# KiCad board EduboardV2_Baseboard.kicad_pcb (continued)
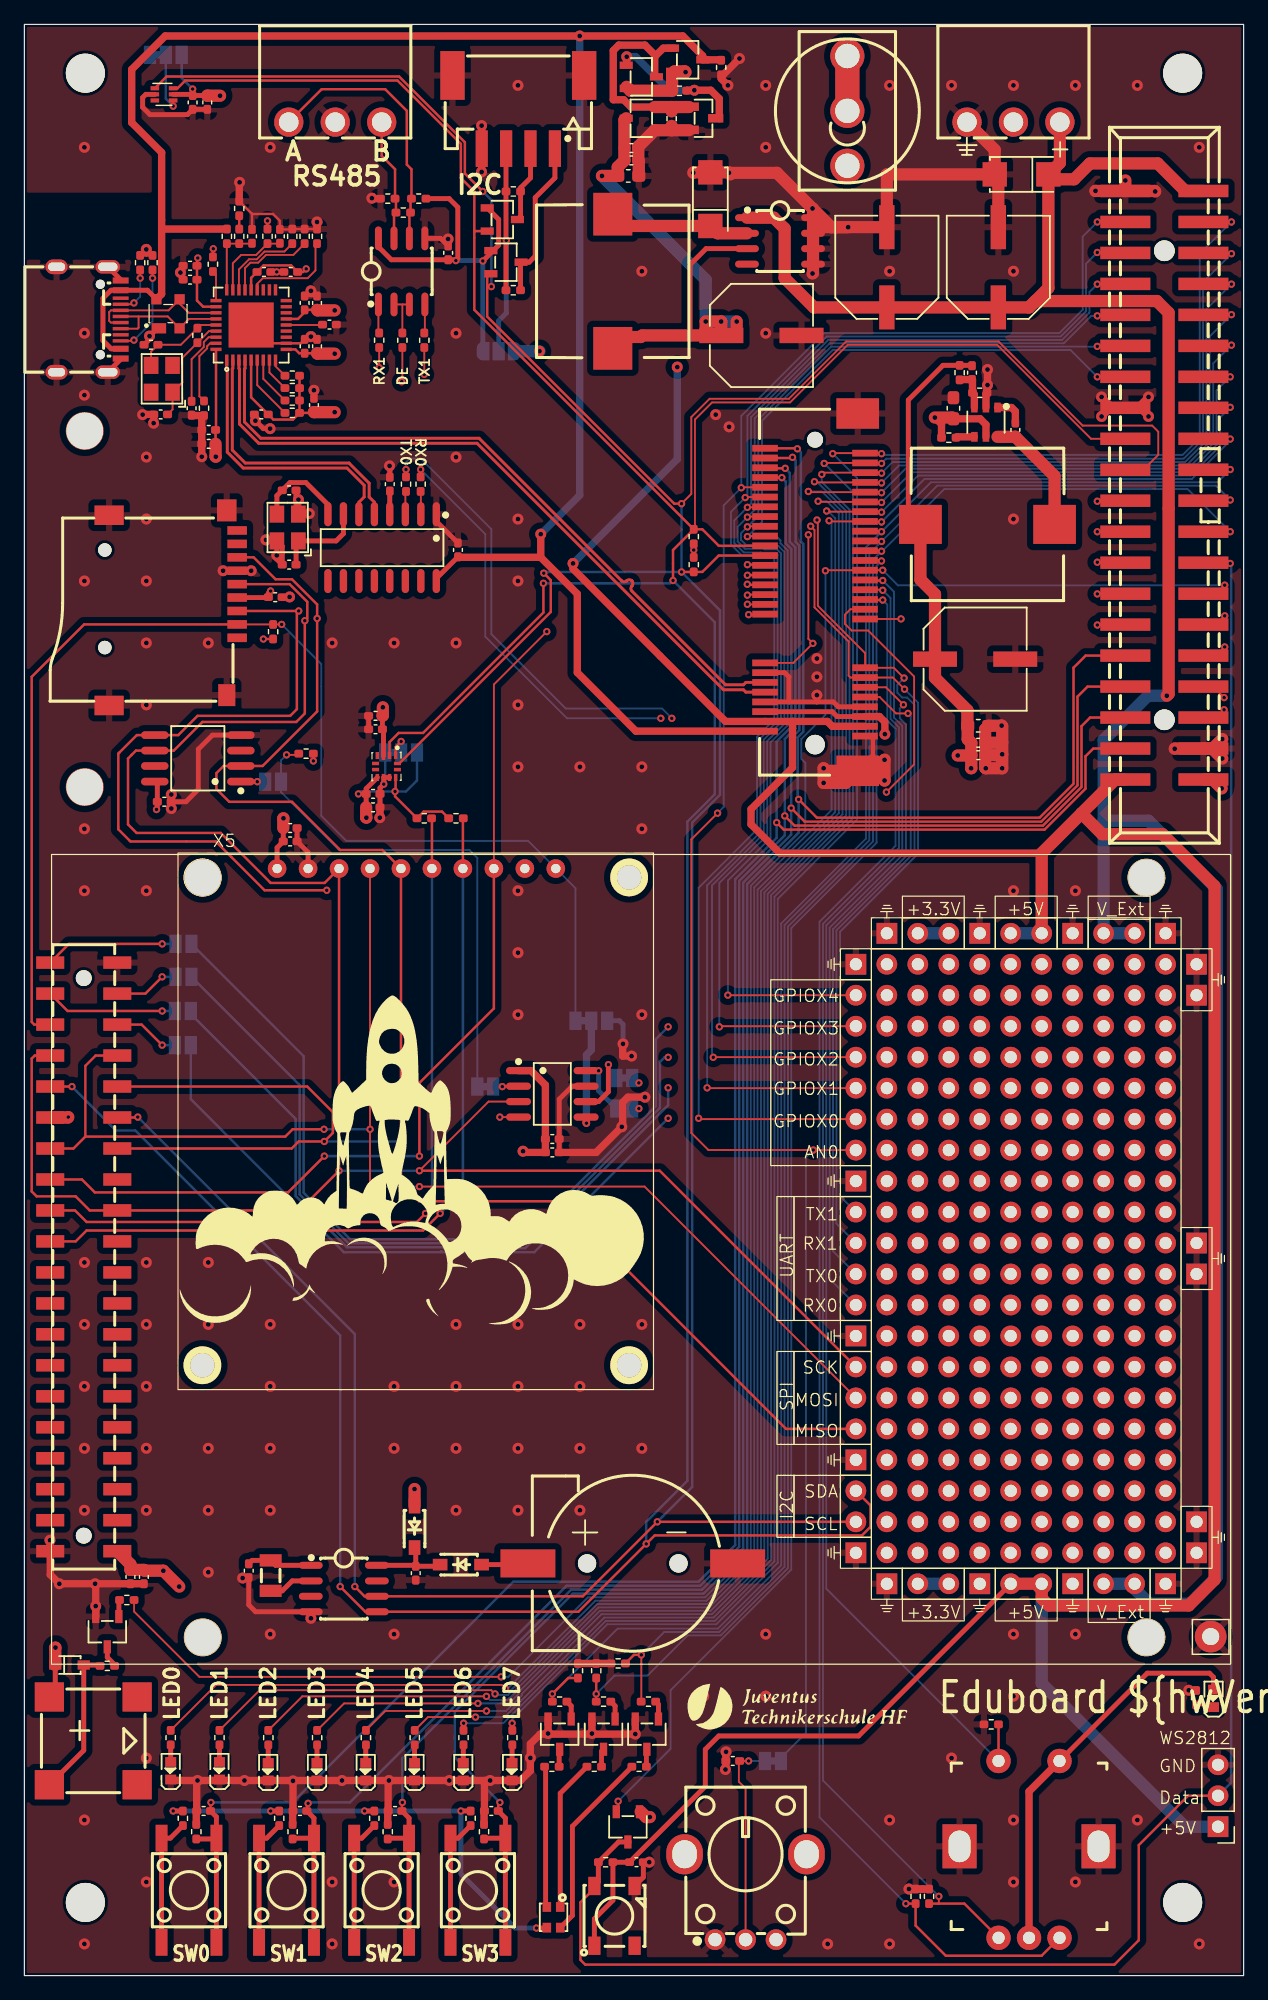
[diagram p0: board, top side]
## Library data of the parts (continued)
JP6 JP9 JP14 JP15 = -: Description: Solder Jumper, 2-pole, closed/bridged
L1 L2 = -: JLC Part: Extended Part; LCSC Part: C136216; Manufacturer: TDK
Q1 = -: JLC Part: Extended Part; LCSC Part: C916396; Manufacturer: JSMSEMI(杰盛微)
Q2-Q4 = -: JLC Part: Extended Part; LCSC Part: C2593; Manufacturer: Infineon(英飞凌)
Q5-Q7 = -: JLC Part: Extended Part; LCSC Part: C116157; Manufacturer: SHIKUES(时科)
R1 R2 = -: Description: 1/16W Thick Film Resistors 50V ±1% ±200ppm/℃ -55℃~+155℃ 10Ω 0402  Chip Resistor - Surface Mount ROHS; JLC Part: Basic Part; LCSC Part: C11702; MPN: 0402WGF100JTCE; Manufacturer: UniOhm
R3-R6 R8 R70-R72 = -: Description: 1/16W Thick Film Resistors 50V ±1% ±100ppm/℃ -55℃~+155℃ 100kΩ 0402  Chip Resistor - Surface Mount ROHS; JLC Part: Basic Part; LCSC Part: C25741; MPN: 0402WGF1003TCE; Manufacturer: UniOhm
R7 = -: Description: 1/16W Thick Film Resistors 50V ±1% ±100ppm/℃ -55℃~+155℃ 22kΩ 0402  Chip Resistor - Surface Mount ROHS; JLC Part: Basic Part; LCSC Part: C25768; MPN: 0402WGF2202TCE; Manufacturer: UniOhm
R9 R10 R12 R14-R17 R19 R21-R23 R25 R29 R46-R48 R56 R57 = -: Description: 1/16W Thick Film Resistors 50V ±1% ±100ppm/℃ -55℃~+155℃ 1kΩ 0402  Chip Resistor - Surface Mount ROHS; JLC Part: Basic Part; LCSC Part: C11702; MPN: 0402WGF1001TCE; Manufacturer: UniOhm
R11 R18 R26 R30 R53 R55 R60-R63 = -: Description: 1/16W Thick Film Resistors 50V ±1% ±100ppm/℃ -55℃~+155℃ 10kΩ 0402  Chip Resistor - Surface Mount ROHS; JLC Part: Basic Part; LCSC Part: C25744; MPN: 0402WGF1002TCE; Manufacturer: UniOhm
R13 = -: Description: 20V ±20% 50mW 50kΩ Plugin  Variable Resistors/Potentiometers ROHS; JLC Part: Extended Part; LCSC Part: C470291; MPN: RK09K1130ACL; Manufacturer: ALPSALPINE(阿尔卑斯阿尔派); alternative: C388854
R20 R24 R35-R38 R41-R45 R51 R52 = -: Description: 1/16W Thick Film Resistors 50V ±1% ±200ppm/℃ -55℃~+155℃ 10Ω 0402  Chip Resistor - Surface Mount ROHS; JLC Part: Basic Part; LCSC Part: C25744; MPN: 0402WGF100JTCE; Manufacturer: UniOhm
R27 R28 R31 = -: Description: 1/16W Thick Film Resistors 50V ±1% ±100ppm/℃ -55℃~+155℃ 150Ω 0402  Chip Resistor - Surface Mount ROHS; JLC Part: Basic Part; LCSC Part: C25082; MPN: 0402WGF1500TCE; Manufacturer: UniOhm
R32-R34 R39 R40 = -: Description: 1/16W Thick Film Resistors 50V ±1% ±200ppm/℃ -55℃~+155℃ 10Ω 0402  Chip Resistor - Surface Mount ROHS; JLC Part: Basic Part; LCSC Part: C25077; MPN: 0402WGF100JTCE; Manufacturer: UniOhm
R49 R50 = -: Description: 1/16W Thick Film Resistors 50V ±1% ±100ppm/℃ -55℃~+155℃ 5.1kΩ 0402  Chip Resistor - Surface Mount ROHS; JLC Part: Basic Part; LCSC Part: C25905; MPN: 0402WGF5101TCE; Manufacturer: UniOhm
R54 = -: Description: 1/16W Thick Film Resistors 50V ±1% ±100ppm/℃ -55℃~+155℃ 120Ω 0402  Chip Resistor - Surface Mount ROHS; JLC Part: Basic Part; LCSC Part: C25079; MPN: 0402WGF1200TCE; Manufacturer: UniOhm
R64 = -: Description: 1MΩ 62.5mW ±100ppm/℃ 50V -55℃~+155℃ Thick Film Resistors ±1% 0402 Chip Resistor - Surface Mount ROHS; JLC Part: Basic Part; LCSC Part: C25741; Manufacturer: UniOhm
R65 R73 = -: Description: 62.5mW Thick Film Resistors 50V ±1% ±100ppm/℃ -55℃~+155℃ 12kΩ 0402 Chip Resistor - Surface Mount ROHS; JLC Part: Basic Part; LCSC Part: C25752; Manufacturer: UniOhm
R66-R69 = -: Description: 62.5mW Thick Film Resistors 50V ±1% ±100ppm/℃ -55℃~+155℃ 47kΩ 0402 Chip Resistor - Surface Mount ROHS; JLC Part: Basic Part; LCSC Part: C25792; Manufacturer: UniOhm
SW1 = -: Description: Cylindrical button handle 7.9mm 125V -30℃~85℃ SPDT Straight PCPin 100000 12.9mm 6A Plugin  Toggle Switches ROHS; JLC Part: Extended Part; LCSC Part: C496164; Manufacturer: Dailywell
SW2-SW5 = -: JLC Part: Extended Part; LCSC Part: C127509; Manufacturer: 韩国韩荣
SW6 = -: Description: Plugin  Rotary Encoders ROHS; Alternative: C143790; JLC Part: Extended Part; LCSC Part: C143817; Manufacturer: BOURNS
T1-T3 T5 = -: Description: 30V 5.7A 26.5mΩ@10V,5.7A 1.4W 1.5V@250μA N Channel SOT-23-3L  MOSFETs ROHS; JLC Part: Basic Part; LCSC Part: C20917; Manufacturer: AOS
U1 = -: Description: Digital Temperature Sensor with I2C/SMBus/Two-wire Interface, 12 bits, +/-1° C, one-shot conversion, alert, nist traceable, SOT-563; JLC Part: Extended Part; LCSC Part: C28927
U2 = -: LCSC Part: C144363
X1 = -: Description: 32.768kHz SMD Crystal Resonator 12.5pF 70kΩ ±20ppm -40℃~+85℃ SMD3215-2P  Crystals ROHS; JLC Part: Basic Part; LCSC Part: C32346; MPN: Q13FC1350000400; Manufacturer: EPSON
X2 = -: Description: Battery base -25℃~+85℃ CR1220 SMD  Battery Connectors ROHS; JLC Part: Extended Part; LCSC Part: C969906; Manufacturer: Q&J
X3 = -: Description: Deck MicroSD card (TF card) Self bomb SMD  SD Card Connectors ROHS; JLC Part: Extended Part; LCSC Part: C111196; Manufacturer: SOFNG
X4 X13 = -: Description: 300V 8A 3 Bend -40℃~+105℃ 1 3.81mm Green Board Edge/Receptacle-Close P=3.81mm  Pluggable System Terminal Block ROHS; JLC Part: Extended Part; LCSC Part: C441183; Manufacturer: Cixi Kefa Elec
X5 = -: Digikey: 1738-DFR0649-ND
X7 = -: Description: 2.54mm -40℃~+105℃ Brick nogging 3A 20 Push - Pull 2.54mm 2 SMD,P=2.54mm  IDC Connectors ROHS; JLC Part: Extended Part; LCSC Part: C2685065; Manufacturer: Liansheng(连盛)
X8 = -: Description: 3A 1 16 Female Type-C SMD  USB Connectors ROHS; JLC Part: Extended Part; LCSC Part: C167321; Manufacturer: LCSC
X9 = -: JLC Part: Extended Part; LCSC Part: C2685092; TouchController Datasheet: https://www.buydisplay.com/download/ic/FT6236-FT6336-FT6436L-FT6436_Datasheet.pdf
X10 = -: Description: 1x4P PH 1 2mm 4 Copper Alloy SMD,P=2mm  Wire To Board / Wire To Wire Connector ROHS; JLC Part: Extended Part; LCSC Part: C265332; Manufacturer: JST Sales America
X14 = -: Description: Transceiver 2Mbps USB 2.0 SOP-16_150mil  USB ICs ROHS; JLC Part: Extended Part; LCSC Part: C14267; Manufacturer: WCH
X15 = -: Description: KDS Daishinku DSX321G 24MHz; Alternative: C2149060; JLC Part: Extended Part; LCSC Part: C93235; Manufacturer: KDS
Y1 = -: Description: 12MHz SMD Crystal Resonator 20pF ±10ppm ±30ppm -40℃~+85℃ SMD3225-4P  Crystals ROHS; JLC Part: Basic Part; LCSC Part: C9002; Manufacturer: YXC

## Footprints (pads in the part's own frame, mm; a bottom-side part is the same pattern mirrored in y, then rotated)
BAT-SMD_CR1220-2ZX
  round 1.5 hole 1.5 unplated: (-3.75,0) (3.75,0)
  rect 4.5x2.3 smd: 1(-8.6,0) 2(8.6,0)
BUZ-SMD_4P-L8.5-W8.5-P8.50-BR
  rect 2.4x2.4 smd: 1(-3.6,-3.6) 2(3.6,-3.6) 3(3.6,3.6) 4(-3.6,3.6)
C_0402_1005Metric_Pad0.74x0.62mm_HandSolder
  rrect 0.735x0.62 smd: 1(-0.568,0) 2(0.568,0)
C_0603_1608Metric_Pad1.08x0.95mm_HandSolder
  rrect 1.075x0.95 smd: 1(-0.863,0) 2(0.863,0)
CAP-SMD_BD8.0-L8.3-W8.3-RD
  rect 3.61x1.26 smd: 1(3.29,0) 2(-3.29,0)
CONN-SMD_52P-P0.80-V_91304-70-052RXXX
  round 3.1 hole 3 unplated: (-15.98,59.9) (13.22,59.9)
  round 1.6 hole 1.6 unplated: (-12.5,0)
  round 1.3 hole 1.3 unplated: (12.5,0)
  rect 0.55x2.1 smd: 1(-11.8,-4.1) 2(-11.4,4.1) 3(-11,-4.1) 4(-10.6,4.1) 5(-10.2,-4.1) 6(-9.8,4.1) 7(-9.4,-4.1) 8(-9,4.1) 9(-8.6,-4.1) 10(-8.2,4.1) 11(-7.8,-4.1) 12(-7.4,4.1) 13(-7,-4.1) 14(-6.6,4.1) 15(-6.2,-4.1) 16(-5.8,4.1) 17(-2.2,-4.1) 18(-1.8,4.1) 19(-1.4,-4.1) 20(-1,4.1) 21(-0.6,-4.1) 22(-0.2,4.1) 23(0.2,-4.1) 24(0.6,4.1) 25(1,-4.1) 26(1.4,4.1) 27(1.8,-4.1) 28(2.2,4.1) 29(2.6,-4.1) 30(3,4.1) 31(3.4,-4.1) 32(3.8,4.1) 33(4.2,-4.1) 34(4.6,4.1) 35(5,-4.1) 36(5.4,4.1) 37(5.8,-4.1) 38(6.2,4.1) 39(6.6,-4.1) 40(7,4.1) 41(7.4,-4.1) 42(7.8,4.1) 43(8.2,-4.1) 44(8.6,4.1) 45(9,-4.1) 46(9.4,4.1) 47(9.8,-4.1) 48(10.2,4.1) 49(10.6,-4.1) 50(11,4.1) 51(11.4,-4.1) 52(11.8,4.1)
  rect 2.5x3.5 smd: 53(-14.65,-3.5) 54(14.65,-3.5)
CONN-SMD_S4B-PH-SM4-K-TB-LF-SN
  rect 1x3 smd: 1(3,-3) 2(1,-3) 3(-1,-3) 4(-3,-3)
  rect 2x4 smd: 5(-5.4,3) 6(5.4,3)
CONN-TH_3P-P3.81_KF2EDGR-3.81-3P
  round 2.4 hole 1.6: 1(-3.81,0) 2(0,0) 3(3.81,0)
DFR0649
  round 3.1 hole 2 unplated: (-17.7,17.6) (-17.7,-22.4) (17.3,17.6) (17.3,-22.4)
  round 1.524 hole 0.762: 1(-11.572,18.33) 2(-9.032,18.33) 3(-6.492,18.33) 4(-3.952,18.33) 5(-1.412,18.33) 6(1.128,18.33) 7(3.668,18.33) 8(6.208,18.33) 9(8.748,18.33) 10(11.288,18.33)
FC-135R_L3.2-W1.5
  rect 1x1.8 smd: 1(-1.25,0) 2(1.25,0)
HDR-SMD_40P-P2.54-V-F-R2-C20-S7.1-EH
  round 3.1 hole 3 unplated: (-31.1,87) (-31.1,9.6) (31.2,87) (31.2,9.6)
  round 1.3 hole 1.3 unplated: (-22.86,-0.16) (22.86,-0.16)
  rect 1.02x2.3 smd: 1(24.13,-2.91) 2(24.13,2.59) 3(21.59,-2.91) 4(21.59,2.59) 5(19.05,-2.91) 6(19.05,2.59) 7(16.51,-2.91) 8(16.51,2.59) 9(13.97,-2.91) 10(13.97,2.59) 11(11.43,-2.91) 12(11.43,2.59) 13(8.89,-2.91) 14(8.89,2.59) 15(6.35,-2.91) 16(6.35,2.59) 17(3.81,-2.91) 18(3.81,2.59) 19(1.27,-2.91) 20(1.27,2.59) 21(-1.27,-2.91) 22(-1.27,2.59) 23(-3.81,-2.91) 24(-3.81,2.59) 25(-6.35,-2.91) 26(-6.35,2.59) 27(-8.89,-2.91) 28(-8.89,2.59) 29(-11.43,-2.91) 30(-11.43,2.59) 31(-13.97,-2.91) 32(-13.97,2.59) 33(-16.51,-2.91) 34(-16.51,2.59) 35(-19.05,-2.91) 36(-19.05,2.59) 37(-21.59,-2.91) 38(-21.59,2.59) 39(-24.13,-2.91) 40(-24.13,2.59)
IDC-SMD_BH-00105
  round 1.7 hole 1.7 unplated: (-19.23,0) (19.23,0)
  rect 1.02x4.1 smd: 1(-24.13,-3.2) 2(-24.13,3.2) 3(-21.59,-3.2) 4(-21.59,3.2) 5(-19.05,-3.2) 6(-19.05,3.2) 7(-16.51,-3.2) 8(-16.51,3.2) 9(-13.97,-3.2) 10(-13.97,3.2) 11(-11.43,-3.2) 12(-11.43,3.2) 13(-8.89,-3.2) 14(-8.89,3.2) 15(-6.35,-3.2) 16(-6.35,3.2) 17(-3.81,-3.2) 18(-3.81,3.2) 19(-1.27,-3.2) 20(-1.27,3.2) 21(1.27,-3.2) 22(1.27,3.2) 23(3.81,-3.2) 24(3.81,3.2) 25(6.35,-3.2) 26(6.35,3.2) 27(8.89,-3.2) 28(8.89,3.2) 29(11.43,-3.2) 30(11.43,3.2) 31(13.97,-3.2) 32(13.97,3.2) 33(16.51,-3.2) 34(16.51,3.2) 35(19.05,-3.2) 36(19.05,3.2) 37(21.59,-3.2) 38(21.59,3.2) 39(24.13,-3.2) 40(24.13,3.2)
IND-SMD_L12.5-W12.5_SLF12565T
  rect 3.5x3.2 smd: 1(-5.5,0) 2(5.5,0)
KEY-SMD_4P-L6.0-W6.0-P4.50-LS9.5-BL
  rect 0.98x2.2 smd: 1(-2.25,-4.27) 2(-2.25,4.27) 3(2.25,-4.27) 4(2.25,4.27)
LED0603-FD_BLUE
  rect 0.8x0.9 smd: 1(-0.72,0) 2(0.72,0)
LED-SMD_4P-L5.0-W5.0-TL_WS2812B-B
  rect 1.5x1 smd: 1(-2.45,1.65) 2(-2.45,-1.65) 3(2.45,-1.65) 4(2.45,1.65)
LED-SMD_FM-B2020RGBA-HG
  rect 0.8x0.7 smd: 1(-0.85,0.55) 2(0.85,0.55) 3(0.85,-0.55) 4(-0.85,-0.55)
LGA-12_L2.0-W2.0-P0.50-TR
  rect 0.28x0.58 smd: 1(0.75,0.9) 2(0.25,0.9) 4(-0.75,0.9) 7(-0.75,-0.9) 8(-0.25,-0.9) 9(0.25,-0.9) 10(0.75,-0.9)
  rect 0.28x0.67 smd: 3(-0.25,0.86)
  rect 0.58x0.28 smd: 5(-0.9,0.25) 6(-0.9,-0.25) 11(0.9,-0.25) 12(0.9,0.25)
MountingHole_3.2mm_M3
  round 3.2 hole 3.2 unplated: (0,0)
OSC-SMD_4P-L3.2-W2.5-BL
  rect 1.4x1.2 smd: 1(-1.1,-0.88) 2(1.1,-0.88) 3(1.1,0.88) 4(-1.1,0.88)
Pin_D1.4mm_L8.5mm_W2.8mm_FlatFork
  round 2.6 hole 1.4: 1(0,0)
PinHeader_1x03_P2.54mm_Vertical
  rect 1.7x1.7 hole 1: 1(0,0)
  oval 1.7x1.7 hole 1: 2(0,-2.54) 3(0,-5.08)
protoboard_patch
  round 1.7 hole 1: (2.54,-2.54) (2.54,-5.08) (2.54,-7.62) (2.54,-10.16) (2.54,-12.7) (2.54,-15.24) (2.54,-17.78) (2.54,-20.32) (2.54,-22.86) (2.54,-25.4) (5.08,-2.54) (5.08,-5.08) (5.08,-7.62) (5.08,-10.16) (5.08,-12.7) (5.08,-15.24) (5.08,-17.78) (5.08,-20.32) (5.08,-22.86) (5.08,-25.4) (7.62,-2.54) (7.62,-5.08) (7.62,-7.62) (7.62,-10.16) (7.62,-12.7) (7.62,-15.24) (7.62,-17.78) (7.62,-20.32) (7.62,-22.86) (7.62,-25.4) (10.16,-2.54) (10.16,-5.08) (10.16,-7.62) (10.16,-10.16) (10.16,-12.7) (10.16,-15.24) (10.16,-17.78) (10.16,-20.32) (10.16,-22.86) (10.16,-25.4) (12.7,-2.54) (12.7,-5.08) (12.7,-7.62) (12.7,-10.16) (12.7,-12.7) (12.7,-15.24) (12.7,-17.78) (12.7,-20.32) (12.7,-22.86) (12.7,-25.4) (15.24,-2.54) (15.24,-5.08) (15.24,-7.62) (15.24,-10.16) (15.24,-12.7) (15.24,-15.24) (15.24,-17.78) (15.24,-20.32) (15.24,-22.86) (15.24,-25.4) (17.78,-2.54) (17.78,-5.08) (17.78,-7.62) (17.78,-10.16) (17.78,-12.7) (17.78,-15.24) (17.78,-17.78) (17.78,-20.32) (17.78,-22.86) (17.78,-25.4) (20.32,-2.54) (20.32,-5.08) (20.32,-7.62) (20.32,-10.16) (20.32,-12.7) (20.32,-15.24) (20.32,-17.78) (20.32,-20.32) (20.32,-22.86) (20.32,-25.4) (22.86,-2.54) (22.86,-5.08) (22.86,-7.62) (22.86,-10.16) (22.86,-12.7) (22.86,-15.24) (22.86,-17.78) (22.86,-20.32) (22.86,-22.86) (22.86,-25.4) (25.4,-2.54) (25.4,-5.08) (25.4,-7.62) (25.4,-10.16) (25.4,-12.7) (25.4,-15.24) (25.4,-17.78) (25.4,-20.32) (25.4,-22.86) (25.4,-25.4) (27.94,-2.54) (27.94,-5.08) (27.94,-7.62) (27.94,-10.16) (27.94,-12.7) (27.94,-15.24) (27.94,-17.78) (27.94,-20.32) (27.94,-22.86) (27.94,-25.4) (30.48,-2.54) (30.48,-5.08) (30.48,-7.62) (30.48,-10.16) (30.48,-12.7) (30.48,-15.24) (30.48,-17.78) (30.48,-20.32) (30.48,-22.86) (30.48,-25.4) (33.02,-2.54) (33.02,-5.08) (33.02,-7.62) (33.02,-10.16) (33.02,-12.7) (33.02,-15.24) (33.02,-17.78) (33.02,-20.32) (33.02,-22.86) (33.02,-25.4) (35.56,-2.54) (35.56,-5.08) (35.56,-7.62) (35.56,-10.16) (35.56,-12.7) (35.56,-15.24) (35.56,-17.78) (35.56,-20.32) (35.56,-22.86) (35.56,-25.4) (38.1,-2.54) (38.1,-5.08) (38.1,-7.62) (38.1,-10.16) (38.1,-12.7) (38.1,-15.24) (38.1,-17.78) (38.1,-20.32) (38.1,-22.86) (38.1,-25.4) (40.64,-2.54) (40.64,-5.08) (40.64,-7.62) (40.64,-10.16) (40.64,-12.7) (40.64,-15.24) (40.64,-17.78) (40.64,-20.32) (40.64,-22.86) (40.64,-25.4) (43.18,-2.54) (43.18,-5.08) (43.18,-7.62) (43.18,-10.16) (43.18,-12.7) (43.18,-15.24) (43.18,-17.78) (43.18,-20.32) (43.18,-22.86) (43.18,-25.4) (45.72,-2.54) (45.72,-5.08) (45.72,-7.62) (45.72,-10.16) (45.72,-12.7) (45.72,-15.24) (45.72,-17.78) (45.72,-20.32) (45.72,-22.86) (45.72,-25.4) (48.26,-2.54) (48.26,-5.08) (48.26,-7.62) (48.26,-10.16) (48.26,-12.7) (48.26,-15.24) (48.26,-17.78) (48.26,-20.32) (48.26,-22.86) (48.26,-25.4) (50.8,-2.54) (50.8,-5.08) (50.8,-7.62) (50.8,-10.16) (50.8,-12.7) (50.8,-15.24) (50.8,-17.78) (50.8,-20.32) (50.8,-22.86) (50.8,-25.4) 2(0,-22.86) 3(0,-20.32) 5(0,-15.24) 6(0,-12.7) 8(0,-7.62) 9(0,-5.08) 12(5.08,0) 13(7.62,0) 15(12.7,0) 16(15.24,0) 17(17.78,0) 19(22.86,0) 20(25.4,0) 21(27.94,0) 22(30.48,0) 24(35.56,0) 25(38.1,0) 26(40.64,0) 27(43.18,0) 28(45.72,0) 29(48.26,0) 32(53.34,-5.08) 33(53.34,-7.62) 35(53.34,-12.7) 36(53.34,-15.24) 38(53.34,-20.32) 39(53.34,-22.86)
  rect 1.7x1.7 hole 1: 1(0,-25.4) 4(0,-17.78) 7(0,-10.16) 10(0,-2.54) 11(2.54,0) 14(10.16,0) 18(20.32,0) 23(33.02,0) 30(50.8,0) 31(53.34,-2.54) 34(53.34,-10.16) 37(53.34,-17.78) 40(53.34,-25.4) 41(50.8,-27.94) 42(48.26,-27.94) 43(27.94,-27.94) 44(25.4,-27.94) 45(5.08,-27.94) 46(2.54,-27.94)
R_0402_1005Metric_Pad0.72x0.64mm_HandSolder
  rrect 0.715x0.64 smd: 1(-0.598,0) 2(0.598,0)
RES-TH_RK09K1130AAU
  round 1.7 hole 1.1: 1(-2.5,-3.5) 2(0,-3.5) 3(2.5,-3.5)
  oval 3x3.3 hole 2x2.3: 4(5,3.5) 5(-5,3.5)
SMA_L4.3-W2.6-LS5.2-RD
  rect 2x2 smd: 1(-2.2,0) 2(2.2,0)
SOD-123_L2.7-W1.6-LS3.7-RD-1
  rect 1.2x0.95 smd: 1(-1.7,0) 2(1.7,0)
SOD-323_L1.8-W1.3-LS2.5-RD
  rect 1x0.75 smd: 1(-1.17,0) 2(1.17,0)
SOIC-8_L4.9-W3.9-P1.27-LS6.0-BL
  oval 0.59x2.05 smd: 1(-1.91,-2.77) 2(-0.63,-2.77) 3(0.63,-2.77) 4(1.9,-2.77) 5(1.9,2.77) 6(0.63,2.77) 7(-0.63,2.77) 8(-1.91,2.77)
SOIC-8_L5.0-W4.0-P1.27-LS6.0-BL
  oval 0.57x1.95 smd: 1(-1.91,-2.71) 2(-0.63,-2.71) 3(0.63,-2.71) 4(1.9,-2.71) 5(1.9,2.71) 6(0.63,2.71) 7(-0.63,2.71) 8(-1.91,2.71)
SOIC-8_L5.3-W5.3-P1.27-LS8.0-BL
  oval 0.63x2.25 smd: 1(-1.91,-3.53) 2(-0.63,-3.53) 3(0.63,-3.53) 4(1.9,-3.53) 5(1.9,3.53) 6(0.63,3.53) 7(-0.63,3.53) 8(-1.91,3.53)
SOIC-16_L9.9-W3.9-P1.27-LS6.0-BL
  oval 0.6x1.97 smd: 1(-4.45,-2.74) 2(-3.18,-2.74) 3(-1.91,-2.74) 4(-0.63,-2.74) 5(0.63,-2.74) 6(1.9,-2.74) 7(3.17,-2.74) 8(4.44,-2.74) 9(4.44,2.74) 10(3.17,2.74) 11(1.9,2.74) 12(0.63,2.74) 13(-0.63,2.74) 14(-1.91,2.74) 15(-3.18,2.74) 16(-4.45,2.74)
SolderJumper-2_P1.3mm_Bridged_Pad1.0x1.5mm
  rect 1x1.5 smd: 1(-0.65,0) 2(0.65,0)
SolderJumper-2_P1.3mm_Open_Pad1.0x1.5mm
  rect 1x1.5 smd: 1(-0.65,0) 2(0.65,0)
SolderJumper-3_P1.3mm_Bridged12_Pad1.0x1.5mm
  rect 1x1.5 smd: 1(-1.3,0) 2(0,0) 3(1.3,0)
SolderJumper-3_P1.3mm_Open_RoundedPad1.0x1.5mm
  custom 1.05x1.5 smd: 1(-1.3,0) 3(1.3,0)
  rect 1x1.5 smd: 2(0,0)
SOT-23-3_L2.9-W1.3-P1.90-LS2.4-BR
  rect 1.25x0.7 smd: 1(1,-0.95) 2(1,0.95) 3(-1,0)
SOT-23-3_L2.9-W1.6-P1.90-LS2.8-BR
  rect 1.07x0.6 smd: 1(1.24,-0.95) 2(1.24,0.95) 3(-1.24,0)
SOT-143-4_L2.9-W1.3-P1.92-LS2.4-BL
  rect 1.19x0.84 smd: 1(-0.75,-1.19)
  rect 0.84x0.84 smd: 2(0.95,-1.19) 3(0.95,1.19) 4(-0.95,1.19)
SOT-563
  rect 0.7x0.34 smd: 1(-0.75,0.5) 2(-0.75,0) 3(-0.75,-0.5) 4(0.75,-0.5) 5(0.75,0) 6(0.75,0.5)
SW-TH_1FS1T1B9M2RES-5
  round 2.8 hole 2: 1(0,-4.5) 2(0,0) 3(0,4.5)
SW-TH_PEC11R-4220F-S0012
  round 2 hole 1x1.005: 1(-2.5,7.25) 2(2.5,7.25) A(-2.5,-7.25) B(2.5,-7.25) C(0,-7.25)
  rect 2.8x3.6 hole 1.8x2.6: 3(-5.7,0.25) 3(5.7,0.25)
TF-SMD_TF-15-15
  round 1.1 hole 1.1 unplated: (5.6,3.25) (5.6,-4.75)
  rect 1.6x0.7 smd: 1(-5.25,2.45) 2(-5.25,1.35) 3(-5.25,0.25) 4(-5.25,-0.85) 5(-5.25,-1.95) 6(-5.25,-3.05) 7(-5.25,-4.15) 8(-5.25,-5.25) 9(-5.25,-6.35)
  rect 1.6x1.8 smd: 10(-4.4,-8)
  rect 2.4x1.6 smd: 11(5.25,-7.6) 12(5.25,8)
  rect 1.4x1.8 smd: 13(-4.4,7.15)
TQFN-36_L6.0-W6.0-P0.50-BL-EP3.7
  rect 0.28x0.91 smd: 1(-2,-2.88) 2(-1.5,-2.88) 3(-1,-2.88) 4(-0.5,-2.88) 5(0,-2.88) 6(0.5,-2.88) 7(1,-2.88) 8(1.5,-2.88) 9(2,-2.88) 19(2,2.88) 20(1.5,2.88) 21(1,2.88) 22(0.5,2.88) 23(0,2.88) 24(-0.5,2.88) 25(-1,2.88) 26(-1.5,2.88) 27(-2,2.88)
  rect 0.91x0.28 smd: 10(2.88,-2) 11(2.88,-1.5) 12(2.88,-1) 13(2.88,-0.5) 14(2.88,0) 15(2.88,0.5) 16(2.88,1) 17(2.88,1.5) 18(2.88,2) 28(-2.88,2) 29(-2.88,1.5) 30(-2.88,1) 31(-2.88,0.5) 32(-2.88,0) 33(-2.88,-0.5) 34(-2.88,-1) 35(-2.88,-1.5) 36(-2.88,-2)
  rect 3.7x3.7 smd: 37(0,0)
TSOT-23-6_L2.9-W1.6-P0.95-LS2.8-BR
  rect 0.8x0.53 smd: 1(1.2,-0.95) 2(1.2,0) 3(1.2,0.95) 4(-1.2,0.95) 5(-1.2,0) 6(-1.2,-0.95)
USB-C-SMD_TYPE-C-USB-17
  round 0.75 hole 0.75 unplated: (-2.89,0.96) (2.89,0.96)
  oval 1.1x2 hole 0.7x1.6: 0(-4.32,1.57) 0(4.32,1.57)
  oval 1.2x1.8 hole 0.7x1.4: 0(-4.32,-2.63) 0(4.32,-2.63)
  rect 0.5x1.3 smd: A1(-3.2,2.63) A4(-2.4,2.63) A9(2.4,2.63) A12(3.2,2.63)
  rect 0.28x1.3 smd: A5(-1.25,2.63) A6(-0.25,2.63) A7(0.25,2.63) A8(1.25,2.63) B5(1.75,2.63) B6(0.75,2.63) B7(-0.75,2.63) B8(-1.75,2.63)

## Nets
+3.3V: BUZZER2.1 C2.2 C4.2 C8.2 C10.2 C12.1 C14.1 C16.1 C19.2 C25.2 C26.2 C27.2 C31.2 C33.2 C34.2 C35.2 C36.2 C37.2 C38.2 C39.2 C40.2 C47.2 C48.2 C49.2 C50.2 C51.2 C52.2 C53.2 C54.2 C55.2 C56.2 C57.2 C58.2 D1.2 D5.2 D14.3 D16.1 IC2.8 IC5.8 IC8.3 IC8.7 IC8.10 IC10.5 IC10.10 IC10.15 IC10.23 IC10.29 IC10.36 J1.5 J1.6 JP1.1 JP2.3 JP3.3 L1.2 Q5.1 Q6.1 Q7.1 R1.2 R2.2 R8.2 R10.2 R13.3 R17.2 R20.2 R24.2 R25.2 R29.2 R41.2 R42.2 R55.2 R60.1 R61.1 R62.1 R63.1 R68.2 R73.2 SW6.2 SW6.C U1.5 U2.1 X3.4 X5.1 X6.8 X6.9 X6.32 X6.33 X7.1 X9.2 X9.29
+5V: C7.2 C23.2 D15.1 IC4.5 J1.3 J1.4 J2.1 JP1.3 R6.2 R37.2 SW1.2 SW1.3 X6.5 X6.6 X6.35 X6.36 X7.2
+5V_EXT: C9.1 C11.1 C13.2 C15.1 IC3.3 L2.2 Q2.3
/Power/3.3V_EN: IC4.4 R6.1
GND: C1.2 C2.1 C3.1 C4.1 C5.2 C7.1 C9.2 C10.1 C11.2 C12.2 C13.1 C14.2 C15.2 C16.2 C17.1 C18.1 C19.1 C20.1 C21.2 C22.1 C23.1 C24.1 C25.1 C26.1 C27.1 C28.1 C29.1 C30.1 C31.1 C32.1 C33.1 C34.1 C35.1 C36.1 C37.1 C38.1 C39.1 C40.1 C41.2 C42.1 C43.2 C44.2 C45.2 C46.2 C47.1 C48.1 C49.1 C50.1 C51.1 C52.1 C53.1 C54.1 C55.1 C56.1 C57.1 C58.1 D3.2 D4.2 D6.1 D7.1 D8.1 D9.1 D10.1 D11.1 D12.1 D13.1 D15.3 D17.1 IC1.4 IC2.4 IC3.5 IC3.6 IC3.7 IC3.8 IC4.2 IC5.5 IC8.8 IC8.9 IC10.11 IC10.37 J1.1 J1.7 J1.8 J1.14 J1.53 J1.54 J2.3 J3.1 JP2.1 JP3.1 JP4.3 Q1.2 Q2.1 R3.1 R5.1 R7.1 R9.1 R11.1 R13.1 R18.1 R26.1 R30.1 R35.1 R36.1 R38.1 R43.2 R44.2 R45.2 R49.2 R50.1 R53.1 R65.1 R66.1 R67.1 R69.1 R72.2 SW6.3 T1.2 T2.2 T3.2 T5.2 U1.2 U2.7 X2.2 X3.6 X3.10 X3.11 X3.12 X3.13 X4.3 X5.2 X6.1 X6.4 X6.7 X6.10 X6.11 X6.14 X6.18 X6.23 X6.30 X6.31 X6.34 X6.37 X6.40 X6.41 X6.42 X6.43 X6.44 X6.45 X6.46 X7.3 X7.26 X7.40 X8.0 X8.A1 X8.A12 X9.1 X9.40 X10.4 X10.5 X10.6 X13.2 X14.1 Y1.2 Y1.4
AN0: J1.44 JP9.2 X6.24 X7.38
BUZZER: J1.27 R39.1 X7.13
DAC0: JP15.1 U2.8
DAC1: JP14.1 U2.6
FLASH_DAC_CS: J1.17 JP5.1 JP6.1 R20.1
GPIOX0: J1.42 JP10.1 JP15.2 X6.25 X7.36
GPIOX1: J1.40 JP11.1 JP14.2 X6.26 X7.34
GPIOX2: J1.38 JP12.1 X6.27 X7.32
GPIOX3: J1.36 JP13.1 X6.28 X7.30
GPIOX4: J1.34 X6.29 X7.28
LED0: J1.37 R12.2 X7.23
LED1: J1.39 R14.2 X7.25
LED2: J1.41 R15.2 X7.27
LED3: J1.43 R16.2 X7.29
LED4: J1.45 R19.2 X7.31
LED5: J1.47 R21.2 X7.33
LED6: J1.49 R22.2 X7.35
LED7: J1.51 R23.2 X7.37
PWMB: J1.33 R33.2 R44.1 X7.19
PWMG: J1.35 R34.2 R45.1 X7.21
PWMR: J1.31 R32.2 R43.1 X7.17
RotEnc_A: J1.23 R36.2 SW6.A
RotEnc_B: J1.21 R38.2 SW6.B
RotEnc_SW: J1.25 R35.2 SW6.1
RS485_A: IC5.6 R54.1 R55.1 X13.3
RS485_B: IC5.7 R53.2 R54.2 X13.1
RS485_DE: J1.16 R47.2 X7.12
SCL0: IC1.6 IC8.12 J1.30 Q5.2 R2.1 U1.1 X6.12 X7.22 X9.30
SDA0: IC1.5 IC8.2 J1.32 Q6.2 R1.1 U1.6 X6.13 X7.24 X9.31
SDCARD_LDAC_CS: J1.19 JP4.1 R24.1 X3.2 X5.10 X9.35
SPI0_CLK: IC2.6 J1.24 U2.3 X3.5 X5.3 X6.17 X7.16 X9.24 X9.33
SPI0_MISO: IC2.2 J1.26 X3.7 X5.5 X6.15 X7.18 X9.28 X9.32
SPI0_MOSI: IC2.5 J1.28 U2.4 X3.3 X5.4 X6.16 X7.20 X9.27 X9.34
SW0: C18.2 J1.46 R11.2 SW2.3 SW2.4 X7.4
SW1: C20.2 J1.48 R18.2 SW3.3 SW3.4 X7.6
SW2: C22.2 J1.50 R26.2 SW4.3 SW4.4 X7.8
SW3: C24.2 J1.52 R30.2 SW5.3 SW5.4 X7.10
TFT_CS: J1.20 R41.1 X5.6 X9.23
TFT_DC: J1.22 X5.8 X9.25
UART_RS485_RX: J1.15 R46.2 X6.21 X7.11
UART_RS485_TX: J1.13 R48.2 X6.22 X7.9
UP_UART0_RX: J1.11 R56.2 X6.19 X7.7
UP_UART0_TX: J1.9 R57.2 X6.20 X7.5
USB0_D+: D17.2 IC10.31 X8.A6 X8.B6
USB0_D-: D17.3 IC10.30 X8.A7 X8.B7
USB-Debug_D+: IC10.4 J1.12
USB-Debug_D-: IC10.3 J1.10
USB-Serial_D+: IC10.2 X14.5
USB-Serial_D-: IC10.1 X14.6
V_EXT: C5.1 C21.1 D3.1 IC3.1 X4.1 X6.2 X6.3 X6.38 X6.39 X7.39
V_USB: C32.2 D17.4 J1.2 Q4.3 R5.2 R70.1 X8.A4 X8.A9 X14.16
WS2812_DIN: J1.29 Q7.2
WS2812_DOUT: D15.4 J2.2 Q7.3 R37.1 X7.15
~{General_Reset}: J1.18 R42.1 X5.7 X7.14 X9.21
Net-(D1--): C3.2 D1.1 D2.1 IC1.8
Net-(D2-+): D2.2 X2.1
Net-(D4-K): D4.1 IC3.2 L2.1
Net-(D5-C): D5.1 R9.2
Net-(D6-A): D6.2 R12.1
Net-(D7-A): D7.2 R14.1
Net-(D8-A): D8.2 R15.1
Net-(D9-A): D9.2 R16.1
Net-(D10-A): D10.2 R19.1
Net-(D11-A): D11.2 R21.1
Net-(D12-A): D12.2 R22.1
Net-(D13-A): D13.2 R23.1
Net-(D14-K-Pad1): D14.1 R31.2
Net-(D14-K-Pad2): D14.2 R28.2
Net-(D14-K-Pad4): D14.4 R27.2
Net-(D16-A): BUZZER2.2 D16.2 R40.2
Net-(IC1-OSCI): C1.1 IC1.1 X1.2
Net-(IC1-OSCO): IC1.2 X1.1
Net-(IC2-CS#): IC2.1 JP5.2
Net-(IC4-BS): C6.1 IC4.1
Net-(IC4-FB): C8.1 IC4.3 R7.2 R8.1
Net-(IC4-LX): C6.2 IC4.6 L1.1
Net-(IC5-DE): IC5.2 IC5.3 R47.1
Net-(IC5-DI): IC5.4 R48.1
Net-(IC5-RO): IC5.1 R46.1
Net-(IC8-SA0/SDO): IC8.1 JP2.2
Net-(IC10-CRFILT): C41.1 IC10.14
Net-(IC10-HS_IND/CFG_SEL1): IC10.25 R69.2
Net-(IC10-PLLFILT): C43.1 IC10.34
Net-(IC10-RBIAS): IC10.35 R65.2
Net-(IC10-RESET_N): C46.1 IC10.26 R73.1
Net-(IC10-SCL/SMBCLK/CFG_SEL0): IC10.24 R67.2
Net-(IC10-SDA/SMBBATA/NON_REM1): IC10.22 R66.2
Net-(IC10-SUSP_IND/LOCAL_PWR/NON_REM0): IC10.28 R68.1
Net-(IC10-USBDM_DN3/PRT_DIS_M3): IC10.6 R63.2
Net-(IC10-USBDM_DN4/PRT_DIS_M4): IC10.8 R61.2
Net-(IC10-USBDP_DN3/PRT_DIS_P3): IC10.7 R62.2
Net-(IC10-USBDP_DN4/PRT_DIS_P4): IC10.9 R60.2
Net-(IC10-VBUS_DET): C45.1 IC10.27 R70.2 R71.1
Net-(IC10-XTALIN/CLKIN): C42.2 IC10.33 R64.1 X15.1
Net-(IC10-XTALOUT): C44.1 IC10.32 R64.2 X15.3
Net-(JP1-C): JP1.2 R51.2 R52.2 X10.3
Net-(JP3-C): JP3.2 U1.4
Net-(JP4-C): JP4.2 U2.5
Net-(JP6-B): JP6.2 U2.2
Net-(JP9-A): C17.2 JP9.1 R13.2
Net-(JP10-B): JP10.2 X9.36
Net-(JP11-B): JP11.2 X9.37
Net-(JP12-B): JP12.2 X9.38
Net-(JP13-B): JP13.2 X9.39
Net-(Q1-D): Q1.3 Q3.1 R4.1
Net-(Q1-G): Q1.1 Q2.2 Q3.3 Q4.1 R3.2
Net-(Q3-S): Q3.2 Q4.2 R4.2 SW1.1
Net-(Q5-D): Q5.3 R51.1 X10.1
Net-(Q6-D): Q6.3 R52.1 X10.2
Net-(R10-Pad1): R10.1 SW2.1 SW2.2
Net-(R17-Pad1): R17.1 SW3.1 SW3.2
Net-(R25-Pad1): R25.1 SW4.1 SW4.2
Net-(R29-Pad1): R29.1 SW5.1 SW5.2
Net-(R71-Pad2): R71.2 R72.1
Net-(T1-D): R27.1 T1.3
Net-(T1-G): R34.1 T1.1
Net-(T2-D): R28.1 T2.3
Net-(T2-G): R33.1 T2.1
Net-(T3-D): R31.1 T3.3
Net-(T3-G): R32.1 T3.1
Net-(T5-D): R40.1 T5.3
Net-(T5-G): R39.2 T5.1
Net-(X8-CC1): R50.2 X8.A5
Net-(X8-CC2): R49.1 X8.B5
Net-(X14-RXD): R57.1 X14.3
Net-(X14-TXD): R56.1 X14.2
Net-(X14-V3): C28.2 X14.4
Net-(X14-XI): C29.2 X14.7 Y1.1
Net-(X14-XO): C30.2 X14.8 Y1.3

Pads without a net: BUZZER2 3 4; D15 2; IC1 3 7; IC2 3 7; IC3 4; IC8 4 5 6 11; IC10 12 13 16 17 18 19 20 21; R13 4 5; U1 3; X3 1 8 9; X4 2; X5 9; X8 A8 B8; X9 3 4 5 6 7 8 9 10 11 12 13 14 15 16 17 18 19 20 22 26; X14 9 10 11 12 13 14 15; X15 2 4

## Via types
v1: diameter 0.6, hole 0.3, Top to Bottom, 194 vias
v2: diameter 0.9, hole 0.4, Top to Bottom, 224 vias

## Routing (per net, layer and track width the routed paths; a pad name or vN(x,y) marks a point on that pad's centre or on a via; arc(x,y) is an arc through that point)
+3.3V: length 771.6
  Top w0.2: R20.2 23.7,99.6 v1(23.7,99.6) ; C53.2 v1(27.4,96.9) ; 77.69,132.04 C8.2 ; R42.2 34.26,95.45 32.75,95.45 R41.2 30.4,96.7 v1(30.4,97.1) 30.45,97.15 IC8.10 ; C40.2 23.68,128.14 R63.1 ; R24.2 19.6,109.6 v1(19.6,109.6) ; IC10.29 14.66,136.85 14.16,137.35 C47.2 C48.2 14.16,140.78 v1(14.22,140.84) ; R63.1 22.02,127.6 20.42,127.6 C39.2 18.6,129.42 IC10.5 ; R63.1 R62.1 R61.1 R60.1 ; IC10.23 18.6,139.21 C33.2 19.62,140.24 21.87,140.24 C34.2 22.86,139.7 v1(23.11,139.95) ; C50.2 C49.2 15.72,126.78 IC10.36 ; IC10.15 22.44,135.85 22.99,136.4 C35.2 C36.2 ; v1(13.8,154.7) C51.2 ; R1.2 R2.2 ; R68.2 15.46,141.57 v1(15.49,141.6) ; IC10.10 22.22,133.35 22.54,133.04 C37.2 C38.2 ; R73.2 v1(19.94,143.89)
  Top w0.4: C52.2 C51.2 13.7,154.26 U1.5 ; Q6.1 38.9,144.01 38.9,141.9 v1(37.6,140.6) ; BUZZER2.1 2.53,23.33 D16.1 ; L1.2 72.5,119.99 72.5,129.2 75.34,132.04 R8.2 77.69,132.04 ; R25.2 27.9,13.5 v1(27.9,13.5) ; v1(35.8,13.5) 36.6,13.5 R29.2 ; R10.2 12.2,13.5 v1(12.2,13.5) ; D5.2 97.54,24.46 97.2,24.8 92.1,24.8 SW6.2 ; IC8.3 29.45,102.12 C55.2 C56.2 ; X3.4 19.98,113 C2.2 20.01,113.35 v1(20.19,113.54) ; R17.2 v1(20.2,13.5) ; D14.3 42.82,3.9 v1(42,3.9) ; IC8.7 28.03,97.33 C53.2 C54.2 ; IC2.8 10.9,97.7 C4.2 10.9,95.69 v1(10.84,95.62) ; J1.5 66.66,103.24 66.26,103.64 J1.6 ; R55.2 34.84,145.71 35.55,145 35.55,140.79 v1(35.39,140.63) 35.32,140.7 C31.2 30.1,140.7 29.04,141.76 IC5.8 ; C27.2 C25.2 20.73,92.5 X5.1
  Top w0.6: SW6.2 82.4,15.1 SW6.C ; J1.5 70.13,103.24 70.58,102.79 v2(70.58,101.8) ; U2.1 41.55,74.21 42.73,73.03 C57.2 C58.2 41,67.5 v2(40.9,67.6)
  Top w1: v2(29.4,104) 29.4,103.33 C56.2 ; v2(76.55,100.05) 77.64,100.05 C14.1 ; v2(51.3,13) 50.99,13 50.55,13.44 ; C14.1 C12.1 77.37,101.39 C10.2 77.34,102.52 77.34,103.76 74.69,106.41 C16.1 74.69,113.27 73.49,114.47 L1.2 ; C14.1 77.66,99.01 v2(77.65,99) ; v2(15.7,124.55) 15.68,124.57 C50.2 ; v2(25.45,128.2) 23.76,128.2 C40.2 ; C52.2 15.02,154.15 v2(16.05,154.15) ; v2(28.05,94.95) 28.03,94.97 C54.2 ; v2(21.25,94.9) 21.23,94.88 C27.2 ; X9.29 3.56,70.36 v1(3.6,70.4) ; v2(2.55,26.9) 2.53,26.88 D16.1 ; C36.2 24.05,136.55 v2(25.45,136.55) ; v2(25.45,133) 24.04,133 C38.2 ; v2(12.7,31.9) v2(11.4,33.2) 9.87,33.2 C26.2 C19.2 8.7,33.72 X9.2 ; v2(98.2,97.35) 97.47,98.08 X7.1 ; D1.2 v2(32,39.9)
  In2.Cu w0.2: v1(19.6,109.6) 18.15,109.6 ; v1(23.7,99.6) 25.5,99.6
  In2.Cu w0.4: 20,145.3 19.94,145.24 v1(19.94,143.89)
  In2.Cu w0.6: SW6.2 81.58,20.92 75.82,20.92 ; R13.3 61.65,13 ; v1(10.84,95.62) 10.84,94.86 11.3,94.4 18.15,94.4
  In2.Cu w1: v2(16.05,154.15) 16.05,147.05 16.9,146.2 ; 25.45,118.8 v1(20.19,113.54) 18.15,111.5 18.15,94.95 ; 25.45,118.8 27.34,116.9 v1(54.9,116.9) ; 25.45,118.8 25.45,124.45 ; 25.5,94.95 25.5,100.1 v2(29.4,104) ; 25.5,94.95 21.3,94.95 v2(21.25,94.9) 21.2,94.95 18.15,94.95 ; 25.5,94.95 v2(28.05,94.95) ; v2(15.7,124.55) 25.35,124.55 25.45,124.45 ; 77.65,92.65 v2(77.65,99) 76.6,100.05 v2(76.55,100.05) 72.33,100.05 v2(70.58,101.8) ; 77.65,92.65 75.82,90.82 ; 77.65,92.65 93.5,92.65 v2(98.2,97.35) ; 14.22,141.6 14.23,141.6 v1(15.49,141.6) ; 14.22,141.6 v1(14.22,140.84) ; 14.22,141.6 14.22,143.52 16.9,146.2 ; 25.45,140.65 35.37,140.65 v1(35.39,140.63) ; 25.45,140.65 25.45,144.45 24.6,145.3 17.8,145.3 16.9,146.2 ; 25.45,140.65 25.45,139.9 ; 75.82,90.82 X6.33 ; 75.82,90.82 57.17,90.82 48.12,81.77 43.6,81.77 ; 43.6,81.77 20.73,81.77 ; 43.6,81.77 43.6,70.2 41,67.6 v2(40.9,67.6) ; 20.73,81.77 20.73,71.5 ; 20.73,81.77 18.15,84.35 18.15,94.95 ; 32,30.65 32,17.3 v1(35.8,13.5) 36.3,13 v2(51.3,13) 67.9,13 75.82,20.92 X6.8 ; 32,30.65 v2(32,39.9) 32,51.85 20.73,63.12 20.73,71.5 ; 32,30.65 31.9,30.55 12.7,30.55 ; 25.45,124.45 v2(25.45,128.2) v2(25.45,133) v2(25.45,136.55) 25.45,139.9 ; v1(3.6,70.4) 4.8,71.6 20.63,71.6 20.73,71.5 ; 25.45,139.9 25.4,139.95 v1(23.11,139.95) ; 12.7,30.55 9.05,26.9 v2(2.55,26.9) ; 12.7,30.55 v2(12.7,31.9) v2(11.4,33.2)
  Bottom w0.2: v1(27.4,96.9) 27.6,97.1 v1(30.4,97.1) 31.3,97.1 32.2,98 JP2.3 ; JP3.3 12.9,155.6 v1(13.8,154.7)
  Bottom w0.4: v1(42,3.9) 40.25,3.9 35.8,8.35 v1(35.8,13.5) v1(27.9,13.5) 20.2,13.5 v1(20.2,13.5) 20.2,13.5 v1(12.2,13.5) ; JP1.1 v1(37.6,140.6) 37.57,140.63 v1(35.39,140.63)
  Bottom w1: X6.9 X6.8 ; X6.32 X6.33
+5V: length 345.6
  Top w0.4: D15.1 46.75,4.65 48.27,6.17 R37.2 C23.2 55.85,15.52 55.85,18.55 56.95,19.65 68.42,19.65 X6.6
  Top w0.6: v2(74.68,127.76) 75.22,127.22 R6.2 ; J1.3 66.26,102.44 65.86,102.84 63.05,102.84 ; v2(45,115.8) 45,115.35 57.51,102.84 J1.4 63.05,102.84 ; IC4.5 78.87,127.18 78.39,127.66 C7.2 ; 63.05,102.84 63,102.79 63,99.05 59.6,95.65 59.6,94.4 61.96,92.04 83.44,92.04
  Top w1: X7.2 89.48,98.08 86.7,95.3 ; 86.7,95.3 88.4,93.6 93.35,93.6 97.62,89.33 97.62,32.47 95.5,30.35 84.02,30.35 83.44,30.93 X6.5 X6.6 ; 86.7,95.3 83.44,92.04 X6.36 ; C7.2 76.1,127.76 v2(74.68,127.76)
  Top w2: SW1.2 SW1.3
  In2.Cu w2: 74.68,131.9 v2(74.68,127.76) ; 74.68,131.9 v2(53.55,131.9) 43.55,131.9 v2(42.25,133.2) ; 74.68,131.9 74.7,131.92 74.7,145.71 SW1.2
  Bottom w0.6: v2(53.55,131.9) 53.55,124.35 v2(45,115.8)
  Bottom w1: X6.5 83.44,23.96 95.19,12.21 J2.1 ; v2(42.25,133.2) JP1.3 ; X6.35 X6.36
+5V_EXT: length 50.2
  Top w0.4: IC3.3 55.91,141.61 54.6,140.3 54.6,134.49
  Top w1: v2(58.42,135.64) 58.42,134.75 58.17,134.49 C9.1 ; C9.1 57.16,135.62 v2(57.15,135.64) v2(55.88,135.64) 55.88,135 56.39,134.49 C9.1 ; C9.1 50.67,134.49 50.55,134.37 49.19,134.37 L2.2 ; v2(47.37,147.57) C13.2 48.67,148.3 C15.1 C11.1 49.22,152.16 Q2.3
  Bottom w1: v2(55.88,135.64) 55.88,139.06 v2(47.37,147.57) ; v2(58.42,135.64) v2(57.15,135.64)
